# EAGLE board Mk4 Final Panel (EAGLE 9.0.1), part 17 of 18 (continued)
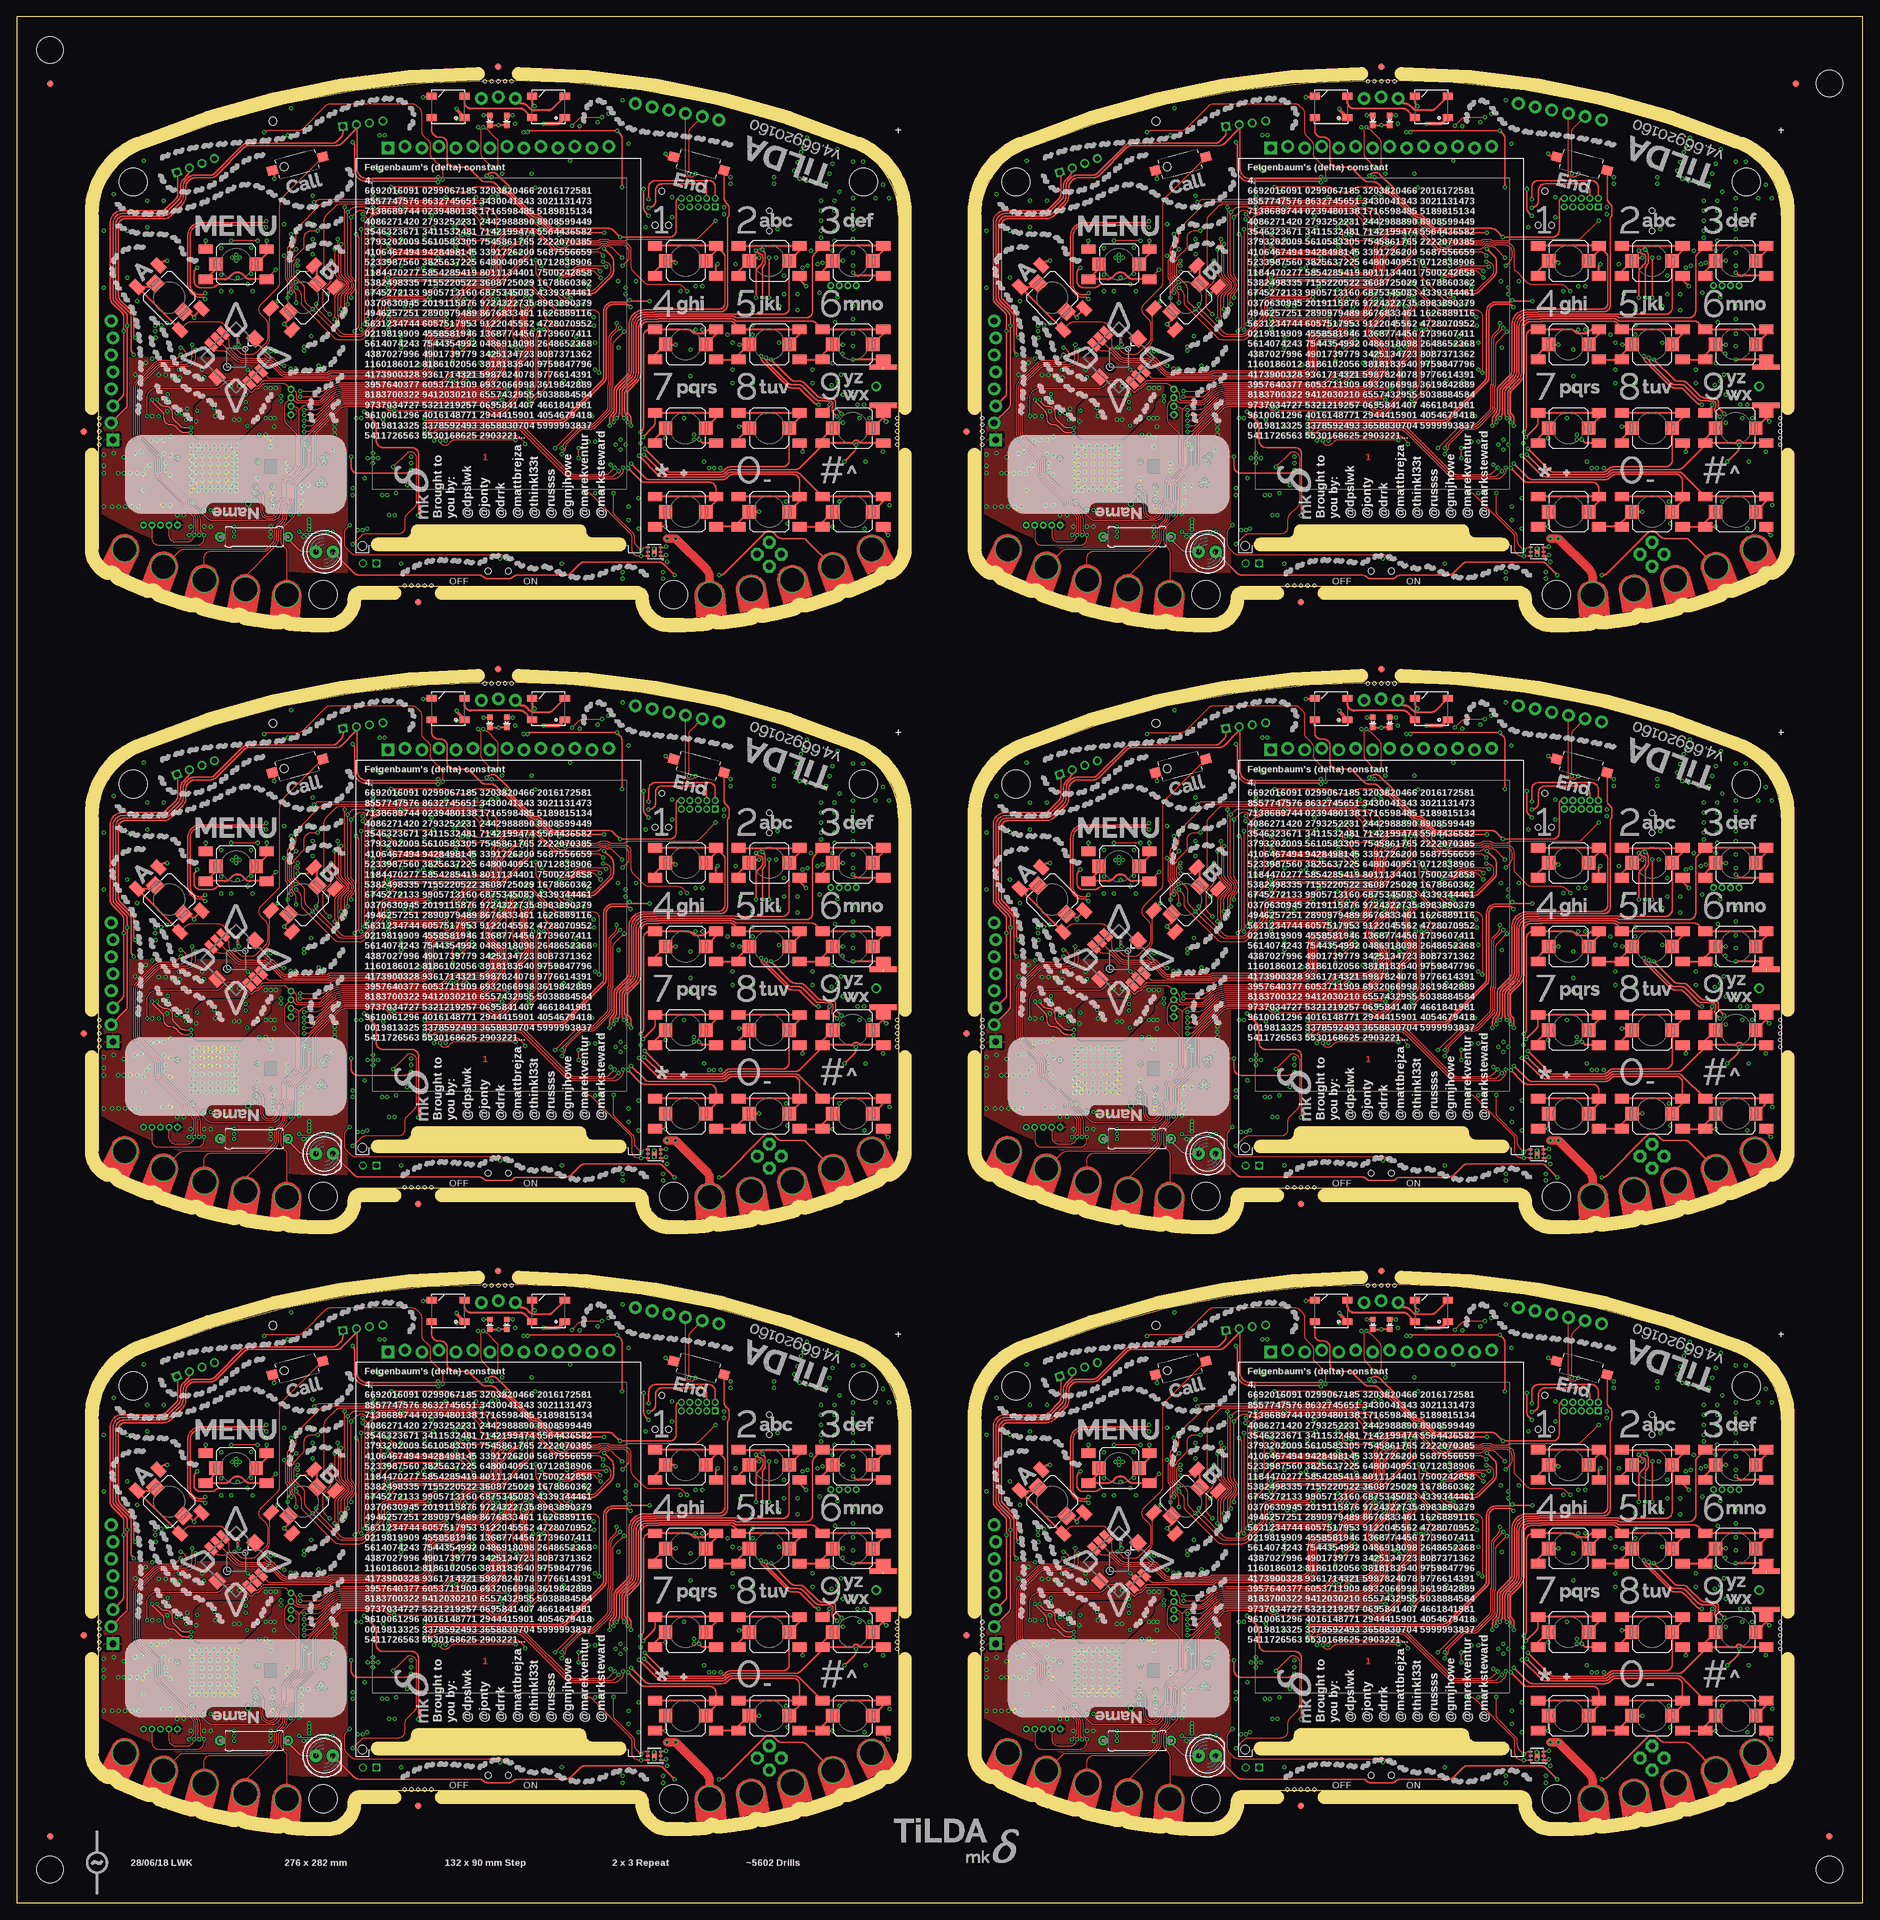
[diagram p0: board, top side]
## Tracks (layer width: path | path; a pad name or v marks a point on that pad's centre or on a via) (continued)
  pour Bottom (no thermals): 237.09,214.25 235.25,214.25 arc-90 234.25,215.25 234.25,216 arc-90 235.25,217 245,217 arc90 246,218 246,221.25 arc-90 247,222.25 247.25,222.25 247.5,222.5 247.5,225 249,225 249,222.8 arc-90 248,221.8 247.75,221.8 arc90 246.75,220.8 246.75,216 arc-90 245.75,215 238.66,215 arc45 237.96,214.71 237.79,214.54 arc-45
  pour 3V3@2 (no thermals): 236,217.5 238.5,217.5 239.5,216.5 239.5,215 239,214.5 229.5,214.5 227.5,212.5 186,212.5 184.8,211.4 184.8,205.6 184.3,205 183,205 182.75,205.25 182.75,212.5 184.25,214 226,214 228.5,216.5 235,216.5
  pour Bottom (no thermals): 176.2,205.9 176.2,205.8 176.75,205.8 177.1,205.45 177.1,205.05 arc90 177.6,204.55 178.8,204.55 178.8,205.5 178.15,205.5 177.8,205.85 177,205.85 176.95,205.9
VBUS  (via drill 0.3)
  Top 0.2: v89.75,84.95 76.55,84.95 v76.35,84.75
  Top 0.22: v90.5,76.5 90.5,83.79 arc45 90.21,84.49 v89.75,84.95
  3V3@2 0.2: v57.5,40.75 52.75,40.75 v51.5,42
  3V3@2 0.75: 51,42 51,43.5 54.25,46.75 v54.25,79 v53.75,79.5 | v51.5,42 51,42 | 51,42 v50.75,42 | v54.25,84.25 75.25,84.25 v75.75,84.75 v76.35,84.75
  Bottom 0.15: v89.75,84.95 89.7,85 IC7.5
  Bottom 0.2: LED6.A v57.5,40.75
  Bottom 0.22: IC1.96 78.2,73.5 arc-90 79.2,74.5 89.5,74.5 arc90 90.5,75.5 v90.5,76.5
  Bottom 0.5: TP7.TP v75.75,84.75
  Bottom 0.75: L2.2 v75.75,84.75 | v54.25,79 53.79,79.46 arc-45 53.5,80.16 53.5,83.09 arc-45 53.79,83.79 v54.25,84.25 v55,84.25
  pour Bottom (no thermals): 52.05,37.7 52.05,41.95 51.65,42.35 50.65,42.35 50.25,41.95 50.25,37.8 50.85,37.2 51.6,37.2 51.6,37.7
VBUS1  (via drill 0.3)
  Top 0.2: v221.75,84.95 208.55,84.95 v208.35,84.75
  Top 0.22: v222.5,76.5 222.5,83.79 arc45 222.21,84.49 v221.75,84.95
  3V3@2 0.2: v189.5,40.75 184.75,40.75 v183.5,42
  3V3@2 0.75: 183,42 183,43.5 186.25,46.75 v186.25,79 v185.75,79.5 | v183.5,42 183,42 | 183,42 v182.75,42 | v186.25,84.25 207.25,84.25 v207.75,84.75 v208.35,84.75
  Bottom 0.15: v221.75,84.95 221.7,85 IC23.5
  Bottom 0.2: LED12.A v189.5,40.75
  Bottom 0.22: IC20.96 210.2,73.5 arc-90 211.2,74.5 221.5,74.5 arc90 222.5,75.5 v222.5,76.5
  Bottom 0.5: TP26.TP v207.75,84.75
  Bottom 0.75: L10.2 v207.75,84.75 | v186.25,79 185.79,79.46 arc-45 185.5,80.16 185.5,83.09 arc-45 185.79,83.79 v186.25,84.25 v187,84.25
  pour Bottom (no thermals): 184.05,37.7 184.05,41.95 183.65,42.35 182.65,42.35 182.25,41.95 182.25,37.8 182.85,37.2 183.6,37.2 183.6,37.7
VBUS2  (via drill 0.3)
  Top 0.2: v89.75,174.95 76.55,174.95 v76.35,174.75
  Top 0.22: v90.5,166.5 90.5,173.79 arc45 90.21,174.49 v89.75,174.95
  3V3@2 0.2: v57.5,130.75 52.75,130.75 v51.5,132
  3V3@2 0.75: 51,132 51,133.5 54.25,136.75 v54.25,169 v53.75,169.5 | v51.5,132 51,132 | 51,132 v50.75,132 | v54.25,174.25 75.25,174.25 v75.75,174.75 v76.35,174.75
  Bottom 0.15: v89.75,174.95 89.7,175 IC41.5
  Bottom 0.2: LED18.A v57.5,130.75
  Bottom 0.22: IC38.96 78.2,163.5 arc-90 79.2,164.5 89.5,164.5 arc90 90.5,165.5 v90.5,166.5
  Bottom 0.5: TP45.TP v75.75,174.75
  Bottom 0.75: L19.2 v75.75,174.75 | v54.25,169 53.79,169.46 arc-45 53.5,170.16 53.5,173.09 arc-45 53.79,173.79 v54.25,174.25 v55,174.25
  pour Bottom (no thermals): 52.05,127.7 52.05,131.95 51.65,132.35 50.65,132.35 50.25,131.95 50.25,127.8 50.85,127.2 51.6,127.2 51.6,127.7
VBUS3  (via drill 0.3)
  Top 0.2: v221.75,174.95 208.55,174.95 v208.35,174.75
  Top 0.22: v222.5,166.5 222.5,173.79 arc45 222.21,174.49 v221.75,174.95
  3V3@2 0.2: v189.5,130.75 184.75,130.75 v183.5,132
  3V3@2 0.75: 183,132 183,133.5 186.25,136.75 v186.25,169 v185.75,169.5 | v183.5,132 183,132 | 183,132 v182.75,132 | v186.25,174.25 207.25,174.25 v207.75,174.75 v208.35,174.75
  Bottom 0.15: v221.75,174.95 221.7,175 IC59.5
  Bottom 0.2: LED24.A v189.5,130.75
  Bottom 0.22: IC56.96 210.2,163.5 arc-90 211.2,164.5 221.5,164.5 arc90 222.5,165.5 v222.5,166.5
  Bottom 0.5: TP64.TP v207.75,174.75
  Bottom 0.75: L28.2 v207.75,174.75 | v186.25,169 185.79,169.46 arc-45 185.5,170.16 185.5,173.09 arc-45 185.79,173.79 v186.25,174.25 v187,174.25
  pour Bottom (no thermals): 184.05,127.7 184.05,131.95 183.65,132.35 182.65,132.35 182.25,131.95 182.25,127.8 182.85,127.2 183.6,127.2 183.6,127.7
VBUS4  (via drill 0.3)
  Top 0.2: v89.75,264.95 76.55,264.95 v76.35,264.75
  Top 0.22: v90.5,256.5 90.5,263.79 arc45 90.21,264.49 v89.75,264.95
  3V3@2 0.2: v57.5,220.75 52.75,220.75 v51.5,222
  3V3@2 0.75: 51,222 51,223.5 54.25,226.75 v54.25,259 v53.75,259.5 | v51.5,222 51,222 | 51,222 v50.75,222 | v54.25,264.25 75.25,264.25 v75.75,264.75 v76.35,264.75
  Bottom 0.15: v89.75,264.95 89.7,265 IC77.5
  Bottom 0.2: LED30.A v57.5,220.75
  Bottom 0.22: IC74.96 78.2,253.5 arc-90 79.2,254.5 89.5,254.5 arc90 90.5,255.5 v90.5,256.5
  Bottom 0.5: TP83.TP v75.75,264.75
  Bottom 0.75: L37.2 v75.75,264.75 | v54.25,259 53.79,259.46 arc-45 53.5,260.16 53.5,263.09 arc-45 53.79,263.79 v54.25,264.25 v55,264.25
  pour Bottom (no thermals): 52.05,217.7 52.05,221.95 51.65,222.35 50.65,222.35 50.25,221.95 50.25,217.8 50.85,217.2 51.6,217.2 51.6,217.7
VBUS5  (via drill 0.3)
  Top 0.2: v221.75,264.95 208.55,264.95 v208.35,264.75
  Top 0.22: v222.5,256.5 222.5,263.79 arc45 222.21,264.49 v221.75,264.95
  3V3@2 0.2: v189.5,220.75 184.75,220.75 v183.5,222
  3V3@2 0.75: 183,222 183,223.5 186.25,226.75 v186.25,259 v185.75,259.5 | v183.5,222 183,222 | 183,222 v182.75,222 | v186.25,264.25 207.25,264.25 v207.75,264.75 v208.35,264.75
  Bottom 0.15: v221.75,264.95 221.7,265 IC95.5
  Bottom 0.2: LED36.A v189.5,220.75
  Bottom 0.22: IC92.96 210.2,253.5 arc-90 211.2,254.5 221.5,254.5 arc90 222.5,255.5 v222.5,256.5
  Bottom 0.5: TP102.TP v207.75,264.75
  Bottom 0.75: L46.2 v207.75,264.75 | v186.25,259 185.79,259.46 arc-45 185.5,260.16 185.5,263.09 arc-45 185.79,263.79 v186.25,264.25 v187,264.25
  pour Bottom (no thermals): 184.05,217.7 184.05,221.95 183.65,222.35 182.65,222.35 182.25,221.95 182.25,217.8 182.85,217.2 183.6,217.2 183.6,217.7
VBUS_L
  Bottom 0.4: U1.VBUS arc-47 L2.1
VBUS_L1
  Bottom 0.4: U2.VBUS arc-47 L10.1
VBUS_L2
  Bottom 0.4: U7.VBUS arc-47 L19.1
VBUS_L3
  Bottom 0.4: U10.VBUS arc-47 L28.1
VBUS_L4
  Bottom 0.4: U13.VBUS arc-47 L37.1
VBUS_L5
  Bottom 0.4: U16.VBUS arc-47 L46.1
VDD_ANA  (via drill 0.3)
  Bottom 0.2: IC15.48 34.55,38.95
  Bottom 0.25: C44.1 26.1,41.4 26.96,40.54 arc-45 27.25,39.84 IC15.36 | IC15.25 24.91,34.75 arc-45 24.21,35.04 C62.1 v24,36
  Bottom 0.4: 34.55,38.95 arc45 35.03,38.75 C61.1 v36.25,39.5 | C44.1 v25.35,41.75
  Bottom 0.5: C63.1 23.45,45.6 v22.6,45.6 | C63.1 23.5,44.85 v22.6,44.85 | C63.1 L7.1
  pour 3V3@2 (rank 2, no thermals): 36.75,39.75 36.75,39 36.25,38.5 34.5,38.5 33.75,39.5 26.5,39.5 24.5,37.5 24.5,36 24,35.5 23.75,35.5 23.5,35.75 23.5,36.5 23.75,36.75 23.75,39.5 23.25,40 22.5,40 22,40.5 22,44.3 21.7,44.6 21.7,45.5 22.2,46 22.8,46 23.25,45.55 23.25,42.25 23.5,42 25,42 25.25,42.25 27.65,42.25 29.65,40.25 36.25,40.25
VDD_ANA1  (via drill 0.3)
  Bottom 0.2: IC29.48 166.55,38.95
  Bottom 0.25: C190.1 158.1,41.4 158.96,40.54 arc-45 159.25,39.84 IC29.36 | IC29.25 156.91,34.75 arc-45 156.21,35.04 C188.1 v156,36
  Bottom 0.4: 166.55,38.95 arc45 167.03,38.75 C191.1 v168.25,39.5 | C190.1 v157.35,41.75
  Bottom 0.5: C189.1 155.45,45.6 v154.6,45.6 | C189.1 155.5,44.85 v154.6,44.85 | C189.1 L16.1
  pour 3V3@2 (rank 2, no thermals): 168.75,39.75 168.75,39 168.25,38.5 166.5,38.5 165.75,39.5 158.5,39.5 156.5,37.5 156.5,36 156,35.5 155.75,35.5 155.5,35.75 155.5,36.5 155.75,36.75 155.75,39.5 155.25,40 154.5,40 154,40.5 154,44.3 153.7,44.6 153.7,45.5 154.2,46 154.8,46 155.25,45.55 155.25,42.25 155.5,42 157,42 157.25,42.25 159.65,42.25 161.65,40.25 168.25,40.25
VDD_ANA2  (via drill 0.3)
  Bottom 0.2: IC47.48 34.55,128.95
  Bottom 0.25: C298.1 26.1,131.4 26.96,130.54 arc-45 27.25,129.84 IC47.36 | IC47.25 24.91,124.75 arc-45 24.21,125.04 C296.1 v24,126
  Bottom 0.4: 34.55,128.95 arc45 35.03,128.75 C299.1 v36.25,129.5 | C298.1 v25.35,131.75
  Bottom 0.5: C297.1 23.45,135.6 v22.6,135.6 | C297.1 23.5,134.85 v22.6,134.85 | C297.1 L25.1
  pour 3V3@2 (rank 2, no thermals): 36.75,129.75 36.75,129 36.25,128.5 34.5,128.5 33.75,129.5 26.5,129.5 24.5,127.5 24.5,126 24,125.5 23.75,125.5 23.5,125.75 23.5,126.5 23.75,126.75 23.75,129.5 23.25,130 22.5,130 22,130.5 22,134.3 21.7,134.6 21.7,135.5 22.2,136 22.8,136 23.25,135.55 23.25,132.25 23.5,132 25,132 25.25,132.25 27.65,132.25 29.65,130.25 36.25,130.25
VDD_ANA3  (via drill 0.3)
  Bottom 0.2: IC65.48 166.55,128.95
  Bottom 0.25: C406.1 158.1,131.4 158.96,130.54 arc-45 159.25,129.84 IC65.36 | IC65.25 156.91,124.75 arc-45 156.21,125.04 C404.1 v156,126
  Bottom 0.4: 166.55,128.95 arc45 167.03,128.75 C407.1 v168.25,129.5 | C406.1 v157.35,131.75
  Bottom 0.5: C405.1 155.45,135.6 v154.6,135.6 | C405.1 155.5,134.85 v154.6,134.85 | C405.1 L34.1
  pour 3V3@2 (rank 2, no thermals): 168.75,129.75 168.75,129 168.25,128.5 166.5,128.5 165.75,129.5 158.5,129.5 156.5,127.5 156.5,126 156,125.5 155.75,125.5 155.5,125.75 155.5,126.5 155.75,126.75 155.75,129.5 155.25,130 154.5,130 154,130.5 154,134.3 153.7,134.6 153.7,135.5 154.2,136 154.8,136 155.25,135.55 155.25,132.25 155.5,132 157,132 157.25,132.25 159.65,132.25 161.65,130.25 168.25,130.25
VDD_ANA4  (via drill 0.3)
  Bottom 0.2: IC83.48 34.55,218.95
  Bottom 0.25: C514.1 26.1,221.4 26.96,220.54 arc-45 27.25,219.84 IC83.36 | IC83.25 24.91,214.75 arc-45 24.21,215.04 C512.1 v24,216
  Bottom 0.4: 34.55,218.95 arc45 35.03,218.75 C515.1 v36.25,219.5 | C514.1 v25.35,221.75
  Bottom 0.5: C513.1 23.45,225.6 v22.6,225.6 | C513.1 23.5,224.85 v22.6,224.85 | C513.1 L43.1
  pour 3V3@2 (rank 2, no thermals): 36.75,219.75 36.75,219 36.25,218.5 34.5,218.5 33.75,219.5 26.5,219.5 24.5,217.5 24.5,216 24,215.5 23.75,215.5 23.5,215.75 23.5,216.5 23.75,216.75 23.75,219.5 23.25,220 22.5,220 22,220.5 22,224.3 21.7,224.6 21.7,225.5 22.2,226 22.8,226 23.25,225.55 23.25,222.25 23.5,222 25,222 25.25,222.25 27.65,222.25 29.65,220.25 36.25,220.25
VDD_ANA5  (via drill 0.3)
  Bottom 0.2: IC101.48 166.55,218.95
  Bottom 0.25: C622.1 158.1,221.4 158.96,220.54 arc-45 159.25,219.84 IC101.36 | IC101.25 156.91,214.75 arc-45 156.21,215.04 C620.1 v156,216
  Bottom 0.4: 166.55,218.95 arc45 167.03,218.75 C623.1 v168.25,219.5 | C622.1 v157.35,221.75
  Bottom 0.5: C621.1 155.45,225.6 v154.6,225.6 | C621.1 155.5,224.85 v154.6,224.85 | C621.1 L52.1
  pour 3V3@2 (rank 2, no thermals): 168.75,219.75 168.75,219 168.25,218.5 166.5,218.5 165.75,219.5 158.5,219.5 156.5,217.5 156.5,216 156,215.5 155.75,215.5 155.5,215.75 155.5,216.5 155.75,216.75 155.75,219.5 155.25,220 154.5,220 154,220.5 154,224.3 153.7,224.6 153.7,225.5 154.2,226 154.8,226 155.25,225.55 155.25,222.25 155.5,222 157,222 157.25,222.25 159.65,222.25 161.65,220.25 168.25,220.25
VDD_DIG_CC  (via drill 0.3)
  3V3@2 0.5: v29,28.25 29,29 29.5,29.5 33.5,29.5 34.75,30.75 v35.75,30.75
  3V3@2 1: v35.75,30.75 36.25,30.75 37.3,31.8 37.3,32.6 37.8,33.1 39.17,33.1 39.55,33.48 39.55,37.45 39.5,37.5 v39.5,44.5 v39.5,45.25
  Bottom 0.25: C96.1 v35.75,30.75 35.23,31.27 arc-45 35.17,31.41 35.17,31.86 arc45 35.12,32 35.06,32.06 arc-45 35,32.2 35,33.75 arc90 34,34.75 IC15.56 | IC15.9 29.25,28.85 arc-45 v29,28.25 C97.1
  Bottom 0.4: C87.1 38.25,45 38.05,45.2 36.1,45.2 L9.1 | v39.5,45.25 38.6,45.25 C87.1 | v39.5,44.5 38.65,44.5 C87.1
VDD_DIG_CC1  (via drill 0.3)
  3V3@2 0.5: v161,28.25 161,29 161.5,29.5 165.5,29.5 166.75,30.75 v167.75,30.75
  3V3@2 1: v167.75,30.75 168.25,30.75 169.3,31.8 169.3,32.6 169.8,33.1 171.17,33.1 171.55,33.48 171.55,37.45 171.5,37.5 v171.5,44.5 v171.5,45.25
  Bottom 0.25: C204.1 v167.75,30.75 167.23,31.27 arc-45 167.18,31.41 167.18,31.86 arc45 167.12,32 167.06,32.06 arc-45 167,32.2 167,33.75 arc90 166,34.75 IC29.56 | IC29.9 161.25,28.85 arc-45 v161,28.25 C205.1
  Bottom 0.4: C195.1 170.25,45 170.05,45.2 168.1,45.2 L18.1 | v171.5,45.25 170.6,45.25 C195.1 | v171.5,44.5 170.65,44.5 C195.1
VDD_DIG_CC2  (via drill 0.3)
  3V3@2 0.5: v29,118.25 29,119 29.5,119.5 33.5,119.5 34.75,120.75 v35.75,120.75
  3V3@2 1: v35.75,120.75 36.25,120.75 37.3,121.8 37.3,122.6 37.8,123.1 39.17,123.1 39.55,123.48 39.55,127.45 39.5,127.5 v39.5,134.5 v39.5,135.25
  Bottom 0.25: C312.1 v35.75,120.75 35.23,121.27 arc-45 35.17,121.41 35.17,121.86 arc45 35.12,122 35.06,122.06 arc-45 35,122.2 35,123.75 arc90 34,124.75 IC47.56 | IC47.9 29.25,118.85 arc-45 v29,118.25 C313.1
  Bottom 0.4: C303.1 38.25,135 38.05,135.2 36.1,135.2 L27.1 | v39.5,135.25 38.6,135.25 C303.1 | v39.5,134.5 38.65,134.5 C303.1
VDD_DIG_CC3  (via drill 0.3)
  3V3@2 0.5: v161,118.25 161,119 161.5,119.5 165.5,119.5 166.75,120.75 v167.75,120.75
  3V3@2 1: v167.75,120.75 168.25,120.75 169.3,121.8 169.3,122.6 169.8,123.1 171.17,123.1 171.55,123.48 171.55,127.45 171.5,127.5 v171.5,134.5 v171.5,135.25
  Bottom 0.25: C420.1 v167.75,120.75 167.23,121.27 arc-45 167.18,121.41 167.18,121.86 arc45 167.12,122 167.06,122.06 arc-45 167,122.2 167,123.75 arc90 166,124.75 IC65.56 | IC65.9 161.25,118.85 arc-45 v161,118.25 C421.1
  Bottom 0.4: C411.1 170.25,135 170.05,135.2 168.1,135.2 L36.1 | v171.5,135.25 170.6,135.25 C411.1 | v171.5,134.5 170.65,134.5 C411.1
VDD_DIG_CC4  (via drill 0.3)
  3V3@2 0.5: v29,208.25 29,209 29.5,209.5 33.5,209.5 34.75,210.75 v35.75,210.75
  3V3@2 1: v35.75,210.75 36.25,210.75 37.3,211.8 37.3,212.6 37.8,213.1 39.17,213.1 39.55,213.48 39.55,217.45 39.5,217.5 v39.5,224.5 v39.5,225.25
  Bottom 0.25: C528.1 v35.75,210.75 35.23,211.27 arc-45 35.17,211.41 35.17,211.86 arc45 35.12,212 35.06,212.06 arc-45 35,212.2 35,213.75 arc90 34,214.75 IC83.56 | IC83.9 29.25,208.85 arc-45 v29,208.25 C529.1
  Bottom 0.4: C519.1 38.25,225 38.05,225.2 36.1,225.2 L45.1 | v39.5,225.25 38.6,225.25 C519.1 | v39.5,224.5 38.65,224.5 C519.1
VDD_DIG_CC5  (via drill 0.3)
  3V3@2 0.5: v161,208.25 161,209 161.5,209.5 165.5,209.5 166.75,210.75 v167.75,210.75
  3V3@2 1: v167.75,210.75 168.25,210.75 169.3,211.8 169.3,212.6 169.8,213.1 171.17,213.1 171.55,213.48 171.55,217.45 171.5,217.5 v171.5,224.5 v171.5,225.25
  Bottom 0.25: C636.1 v167.75,210.75 167.23,211.27 arc-45 167.18,211.41 167.18,211.86 arc45 167.12,212 167.06,212.06 arc-45 167,212.2 167,213.75 arc90 166,214.75 IC101.56 | IC101.9 161.25,208.85 arc-45 v161,208.25 C637.1
  Bottom 0.4: C627.1 170.25,225 170.05,225.2 168.1,225.2 L54.1 | v171.5,225.25 170.6,225.25 C627.1 | v171.5,224.5 170.65,224.5 C627.1
VDD_EXT
  Bottom 0.2: R29.1 118,44.5 arc90 117,45.5 111.3,45.5 arc90 110.3,44.5 IC5.40
VDD_EXT1
  Bottom 0.2: R111.1 250,44.5 arc90 249,45.5 243.3,45.5 arc90 242.3,44.5 IC21.40
VDD_EXT2
  Bottom 0.2: R189.1 118,134.5 arc90 117,135.5 111.3,135.5 arc90 110.3,134.5 IC39.40
VDD_EXT3
  Bottom 0.2: R267.1 250,134.5 arc90 249,135.5 243.3,135.5 arc90 242.3,134.5 IC57.40
VDD_EXT4
  Bottom 0.2: R345.1 118,224.5 arc90 117,225.5 111.3,225.5 arc90 110.3,224.5 IC75.40
VDD_EXT5
  Bottom 0.2: R423.1 250,224.5 arc90 249,225.5 243.3,225.5 arc90 242.3,224.5 IC93.40
VDD_PA  (via drill 0.3)
  Bottom 0.25: IC15.42 30.25,40 arc-45 30.54,40.71 31.16,41.32 arc45 31.45,42.03 31.45,43.24 arc-45 31.6,43.6 31.88,43.88 C85.1 | IC15.33 25.65,39.05
  Bottom 0.4: C85.1 C84.1 | C84.1 33.77,44.4 v34.25,44.4 | C84.1 33.73,43.4 v34.25,43.4 | C86.1 24.96,41.17 arc-45 25.25,40.46 25.25,39.86 arc45 25.54,39.16 25.65,39.05 | 24.7,41.95 24.7,42.08 | C86.1 24.7,42.08 | 24.7,42.08 v24.7,42.75 | v23.95,42.75 23.95,42.59 arc45 24.24,41.88 C86.1
  pour 3V3@2 (no thermals): 25,43.5 25,42.5 24.75,42.25 23.75,42.25 23.5,42.5 23.5,44.5 25,46 30.5,46 31.5,45 34.25,45 34.75,44.5 34.75,43.5 34.25,43 31,43 30,44 25.5,44
VDD_PA1  (via drill 0.3)
  Bottom 0.25: IC29.42 162.25,40 arc-45 162.54,40.71 163.16,41.32 arc45 163.45,42.03 163.45,43.24 arc-45 163.6,43.6 163.88,43.88 C194.1 | IC29.33 157.65,39.05
  Bottom 0.4: C194.1 C193.1 | C193.1 165.78,44.4 v166.25,44.4 | C193.1 165.72,43.4 v166.25,43.4 | C192.1 156.96,41.17 arc-45 157.25,40.46 157.25,39.86 arc45 157.54,39.16 157.65,39.05 | 156.7,41.95 156.7,42.08 | C192.1 156.7,42.08 | 156.7,42.08 v156.7,42.75 | v155.95,42.75 155.95,42.59 arc45 156.24,41.88 C192.1
  pour 3V3@2 (no thermals): 157,43.5 157,42.5 156.75,42.25 155.75,42.25 155.5,42.5 155.5,44.5 157,46 162.5,46 163.5,45 166.25,45 166.75,44.5 166.75,43.5 166.25,43 163,43 162,44 157.5,44
VDD_PA2  (via drill 0.3)
  Bottom 0.25: IC47.42 30.25,130 arc-45 30.54,130.71 31.16,131.32 arc45 31.45,132.03 31.45,133.24 arc-45 31.6,133.6 31.88,133.88 C302.1 | IC47.33 25.65,129.05
  Bottom 0.4: C302.1 C301.1 | C301.1 33.77,134.4 v34.25,134.4 | C301.1 33.73,133.4 v34.25,133.4 | C300.1 24.96,131.17 arc-45 25.25,130.46 25.25,129.86 arc45 25.54,129.16 25.65,129.05 | 24.7,131.95 24.7,132.07 | C300.1 24.7,132.07 | 24.7,132.07 v24.7,132.75 | v23.95,132.75 23.95,132.59 arc45 24.24,131.88 C300.1
  pour 3V3@2 (no thermals): 25,133.5 25,132.5 24.75,132.25 23.75,132.25 23.5,132.5 23.5,134.5 25,136 30.5,136 31.5,135 34.25,135 34.75,134.5 34.75,133.5 34.25,133 31,133 30,134 25.5,134
VDD_PA3  (via drill 0.3)
  Bottom 0.25: IC65.42 162.25,130 arc-45 162.54,130.71 163.16,131.32 arc45 163.45,132.03 163.45,133.24 arc-45 163.6,133.6 163.88,133.88 C410.1 | IC65.33 157.65,129.05
  Bottom 0.4: C410.1 C409.1 | C409.1 165.78,134.4 v166.25,134.4 | C409.1 165.72,133.4 v166.25,133.4 | C408.1 156.96,131.17 arc-45 157.25,130.46 157.25,129.86 arc45 157.54,129.16 157.65,129.05 | 156.7,131.95 156.7,132.07 | C408.1 156.7,132.07 | 156.7,132.07 v156.7,132.75 | v155.95,132.75 155.95,132.59 arc45 156.24,131.88 C408.1
  pour 3V3@2 (no thermals): 157,133.5 157,132.5 156.75,132.25 155.75,132.25 155.5,132.5 155.5,134.5 157,136 162.5,136 163.5,135 166.25,135 166.75,134.5 166.75,133.5 166.25,133 163,133 162,134 157.5,134
VDD_PA4  (via drill 0.3)
  Bottom 0.25: IC83.42 30.25,220 arc-45 30.54,220.71 31.16,221.32 arc45 31.45,222.03 31.45,223.24 arc-45 31.6,223.6 31.88,223.88 C518.1 | IC83.33 25.65,219.05
  Bottom 0.4: C518.1 C517.1 | C517.1 33.77,224.4 v34.25,224.4 | C517.1 33.73,223.4 v34.25,223.4 | C516.1 24.96,221.17 arc-45 25.25,220.46 25.25,219.86 arc45 25.54,219.16 25.65,219.05 | 24.7,221.95 24.7,222.07 | C516.1 24.7,222.07 | 24.7,222.07 v24.7,222.75 | v23.95,222.75 23.95,222.59 arc45 24.24,221.88 C516.1
  pour 3V3@2 (no thermals): 25,223.5 25,222.5 24.75,222.25 23.75,222.25 23.5,222.5 23.5,224.5 25,226 30.5,226 31.5,225 34.25,225 34.75,224.5 34.75,223.5 34.25,223 31,223 30,224 25.5,224
VDD_PA5  (via drill 0.3)
  Bottom 0.25: IC101.42 162.25,220 arc-45 162.54,220.71 163.16,221.32 arc45 163.45,222.03 163.45,223.24 arc-45 163.6,223.6 163.88,223.88 C626.1 | IC101.33 157.65,219.05
  Bottom 0.4: C626.1 C625.1 | C625.1 165.78,224.4 v166.25,224.4 | C625.1 165.72,223.4 v166.25,223.4 | C624.1 156.96,221.17 arc-45 157.25,220.46 157.25,219.86 arc45 157.54,219.16 157.65,219.05 | 156.7,221.95 156.7,222.07 | C624.1 156.7,222.07 | 156.7,222.07 v156.7,222.75 | v155.95,222.75 155.95,222.59 arc45 156.24,221.88 C624.1
  pour 3V3@2 (no thermals): 157,223.5 157,222.5 156.75,222.25 155.75,222.25 155.5,222.5 155.5,224.5 157,226 162.5,226 163.5,225 166.25,225 166.75,224.5 166.75,223.5 166.25,223 163,223 162,224 157.5,224
VDD_PLL
  Bottom 0.25: IC15.24 C94.1
VDD_PLL1
  Bottom 0.25: IC29.24 C202.1
VDD_PLL2
  Bottom 0.25: IC47.24 C310.1
VDD_PLL3
  Bottom 0.25: IC65.24 C418.1
VDD_PLL4
  Bottom 0.25: IC83.24 C526.1
VDD_PLL5
  Bottom 0.25: IC101.24 C634.1
VDD_RAM
  Bottom 0.2: IC15.49 35.34,38.25 arc-45 36.04,37.96 C95.1
VDD_RAM1
  Bottom 0.2: IC29.49 167.34,38.25 arc-45 168.04,37.96 C203.1
VDD_RAM2
  Bottom 0.2: IC47.49 35.34,128.25 arc-45 36.04,127.96 C311.1
VDD_RAM3
  Bottom 0.2: IC65.49 167.34,128.25 arc-45 168.04,127.96 C419.1
VDD_RAM4
  Bottom 0.2: IC83.49 35.34,218.25 arc-45 36.04,217.96 C527.1
VDD_RAM5
  Bottom 0.2: IC101.49 167.34,218.25 arc-45 168.04,217.96 C635.1
VDDC
  Bottom 0.2: 78.8,64 IC1.115 80.6,64 | 74.6,71.8 IC1.87 74.6,73.6
  Bottom 0.25: 78.8,64 77.6,64 arc-90 74.6,67 74.6,71.8 | 74.6,73.6 74.6,73.65 C8.2 | 80.6,64 81.62,64 C6.2 C7.2
VDDC1
  Bottom 0.2: 210.8,64 IC20.115 212.6,64 | 206.6,71.8 IC20.87 206.6,73.6
  Bottom 0.25: 210.8,64 209.6,64 arc-90 206.6,67 206.6,71.8 | 206.6,73.6 206.6,73.65 C118.2 | 212.6,64 213.62,64 C116.2 C117.2
VDDC2
  Bottom 0.2: 78.8,154 IC38.115 80.6,154 | 74.6,161.8 IC38.87 74.6,163.6
  Bottom 0.25: 78.8,154 77.6,154 arc-90 74.6,157 74.6,161.8 | 74.6,163.6 74.6,163.65 C226.2 | 80.6,154 81.62,154 C224.2 C225.2
VDDC3
  Bottom 0.2: 210.8,154 IC56.115 212.6,154 | 206.6,161.8 IC56.87 206.6,163.6
  Bottom 0.25: 210.8,154 209.6,154 arc-90 206.6,157 206.6,161.8 | 206.6,163.6 206.6,163.65 C334.2 | 212.6,154 213.62,154 C332.2 C333.2
VDDC4
  Bottom 0.2: 78.8,244 IC74.115 80.6,244 | 74.6,251.8 IC74.87 74.6,253.6
  Bottom 0.25: 78.8,244 77.6,244 arc-90 74.6,247 74.6,251.8 | 74.6,253.6 74.6,253.65 C442.2 | 80.6,244 81.62,244 C440.2 C441.2
VDDC5
  Bottom 0.2: 210.8,244 IC92.115 212.6,244 | 206.6,251.8 IC92.87 206.6,253.6
  Bottom 0.25: 210.8,244 209.6,244 arc-90 206.6,247 206.6,251.8 | 206.6,253.6 206.6,253.65 C550.2 | 212.6,244 213.62,244 C548.2 C549.2
WFIF_ANT_L
  Bottom 0.4: L6.2 C77.2 14.3,34.8 ANT1.1
WFIF_ANT_L1
  Bottom 0.4: L15.2 C178.2 146.3,34.8 ANT3.1
WFIF_ANT_L2
  Bottom 0.4: L24.2 C286.2 14.3,124.8 ANT5.1
WFIF_ANT_L3
  Bottom 0.4: L33.2 C394.2 146.3,124.8 ANT7.1
WFIF_ANT_L4
  Bottom 0.4: L42.2 C502.2 14.3,214.8 ANT9.1
WFIF_ANT_L5
  Bottom 0.4: L51.2 C610.2 146.3,214.8 ANT11.1
WIFI_ANT
  Bottom 0.35: FL1.OUT 22.45,37.75
  Bottom 0.4: L6.1 C76.2 18.09,35 arc45 18.79,35.29 19.44,35.94 arc45 19.5,36.09 arc-45 19.79,36.79 20.46,37.46 arc-45 21.16,37.75 22.45,37.75
WIFI_ANT1
  Bottom 0.35: FL2.OUT 154.45,37.75
  Bottom 0.4: L15.1 C177.2 150.09,35 arc45 150.79,35.29 151.44,35.94 arc45 151.5,36.09 arc-45 151.79,36.79 152.46,37.46 arc-45 153.16,37.75 154.45,37.75
WIFI_ANT2
  Bottom 0.35: FL3.OUT 22.45,127.75
  Bottom 0.4: L24.1 C285.2 18.09,125 arc45 18.79,125.29 19.44,125.94 arc45 19.5,126.09 arc-45 19.79,126.79 20.46,127.46 arc-45 21.16,127.75 22.45,127.75
WIFI_ANT3
  Bottom 0.35: FL4.OUT 154.45,127.75
  Bottom 0.4: L33.1 C393.2 150.09,125 arc45 150.79,125.29 151.44,125.94 arc45 151.5,126.09 arc-45 151.79,126.79 152.46,127.46 arc-45 153.16,127.75 154.45,127.75
WIFI_ANT4
  Bottom 0.35: FL5.OUT 22.45,217.75
  Bottom 0.4: L42.1 C501.2 18.09,215 arc45 18.79,215.29 19.44,215.94 arc45 19.5,216.09 arc-45 19.79,216.79 20.46,217.46 arc-45 21.16,217.75 22.45,217.75
WIFI_ANT5
  Bottom 0.35: FL6.OUT 154.45,217.75
  Bottom 0.4: L51.1 C609.2 150.09,215 arc45 150.79,215.29 151.44,215.94 arc45 151.5,216.09 arc-45 151.79,216.79 152.46,217.46 arc-45 153.16,217.75 154.45,217.75
WIFI_ANT_F
  Bottom 0.2: IC15.31 24.65,37.75
  Bottom 0.35: FL1.IN 23.52,37.75
  Bottom 0.4: 24.65,37.75 23.52,37.75
WIFI_ANT_F1
  Bottom 0.2: IC29.31 156.65,37.75
  Bottom 0.35: FL2.IN 155.53,37.75
  Bottom 0.4: 156.65,37.75 155.53,37.75
WIFI_ANT_F2
  Bottom 0.2: IC47.31 24.65,127.75
  Bottom 0.35: FL3.IN 23.52,127.75
  Bottom 0.4: 24.65,127.75 23.52,127.75
WIFI_ANT_F3
  Bottom 0.2: IC65.31 156.65,127.75
  Bottom 0.35: FL4.IN 155.53,127.75
  Bottom 0.4: 156.65,127.75 155.53,127.75
WIFI_ANT_F4
  Bottom 0.2: IC83.31 24.65,217.75
  Bottom 0.35: FL5.IN 23.52,217.75
  Bottom 0.4: 24.65,217.75 23.52,217.75
WIFI_ANT_F5
  Bottom 0.2: IC101.31 156.65,217.75
  Bottom 0.35: FL6.IN 155.53,217.75
  Bottom 0.4: 156.65,217.75 155.53,217.75
WS2812_OUT
  Top 0.3: LED2.2 80.14,88.29 arc-45 79.44,88 77.41,88 arc-45 76.71,88.29 76.29,88.71 arc45 75.59,89 arc-45 75.12,89.19 JP2.3
WS2812_OUT1
  Top 0.3: LED8.2 212.14,88.29 arc-45 211.44,88 209.41,88 arc-45 208.71,88.29 208.29,88.71 arc45 207.59,89 arc-45 207.12,89.19 JP11.3
WS2812_OUT2
  Top 0.3: LED14.2 80.14,178.29 arc-45 79.44,178 77.41,178 arc-45 76.71,178.29 76.29,178.71 arc45 75.59,179 arc-45 75.12,179.19 JP20.3
WS2812_OUT3
  Top 0.3: LED20.2 212.14,178.29 arc-45 211.44,178 209.41,178 arc-45 208.71,178.29 208.29,178.71 arc45 207.59,179 arc-45 207.12,179.19 JP29.3
WS2812_OUT4
  Top 0.3: LED26.2 80.14,268.29 arc-45 79.44,268 77.41,268 arc-45 76.71,268.29 76.29,268.71 arc45 75.59,269 arc-45 75.12,269.19 JP38.3
WS2812_OUT5
  Top 0.3: LED32.2 212.14,268.29 arc-45 211.44,268 209.41,268 arc-45 208.71,268.29 208.29,268.71 arc45 207.59,269 arc-45 207.12,269.19 JP47.3
WS28212_1
  Top 0.3: LED2.4 75.99,87.96 arc45 75.29,88.25 67.95,88.25 arc-90 66.95,89.25 LED1.2
WS28212_2
  Top 0.3: LED8.4 207.99,87.96 arc45 207.29,88.25 199.95,88.25 arc-90 198.95,89.25 LED7.2
WS28212_3
  Top 0.3: LED14.4 75.99,177.96 arc45 75.29,178.25 67.95,178.25 arc-90 66.95,179.25 LED13.2
WS28212_4
  Top 0.3: LED20.4 207.99,177.96 arc45 207.29,178.25 199.95,178.25 arc-90 198.95,179.25 LED19.2
WS28212_5
  Top 0.3: LED26.4 75.99,267.96 arc45 75.29,268.25 67.95,268.25 arc-90 66.95,269.25 LED25.2
WS28212_6
  Top 0.3: LED32.4 207.99,267.96 arc45 207.29,268.25 199.95,268.25 arc-90 198.95,269.25 LED31.2
XOSC0
  Bottom 0.15: IC1.66 66.2,74.7 C18.2 65.9,75.1 arc90 65.4,75.6 65.35,75.6 arc-90 64.85,76.1 X1.P$1
XOSC1
  Bottom 0.15: IC1.67 66.6,74.7 C19.2 66.9,75.1 arc-90 67.4,75.6 67.45,75.6 arc90 67.95,76.1 X1.P$2
XOSC2
  Bottom 0.15: IC20.66 198.2,74.7 C128.2 197.9,75.1 arc90 197.4,75.6 197.35,75.6 arc-90 196.85,76.1 X5.P$1
XOSC3